# Altium PCB WIoT-Shield01.PcbDoc (part 1 of 2)
Units mm, origin at the board's own origin, x right, y up, seen from the top; angles counter-clockwise.
Board outline 53.32 x 90 mm, 4 copper layers (Top Layer, Internal Plane 1, Internal Plane 2, Bottom Layer), stack 0.844 mm thick; 121 components, 84 nets, 423 pads, 363 vias.
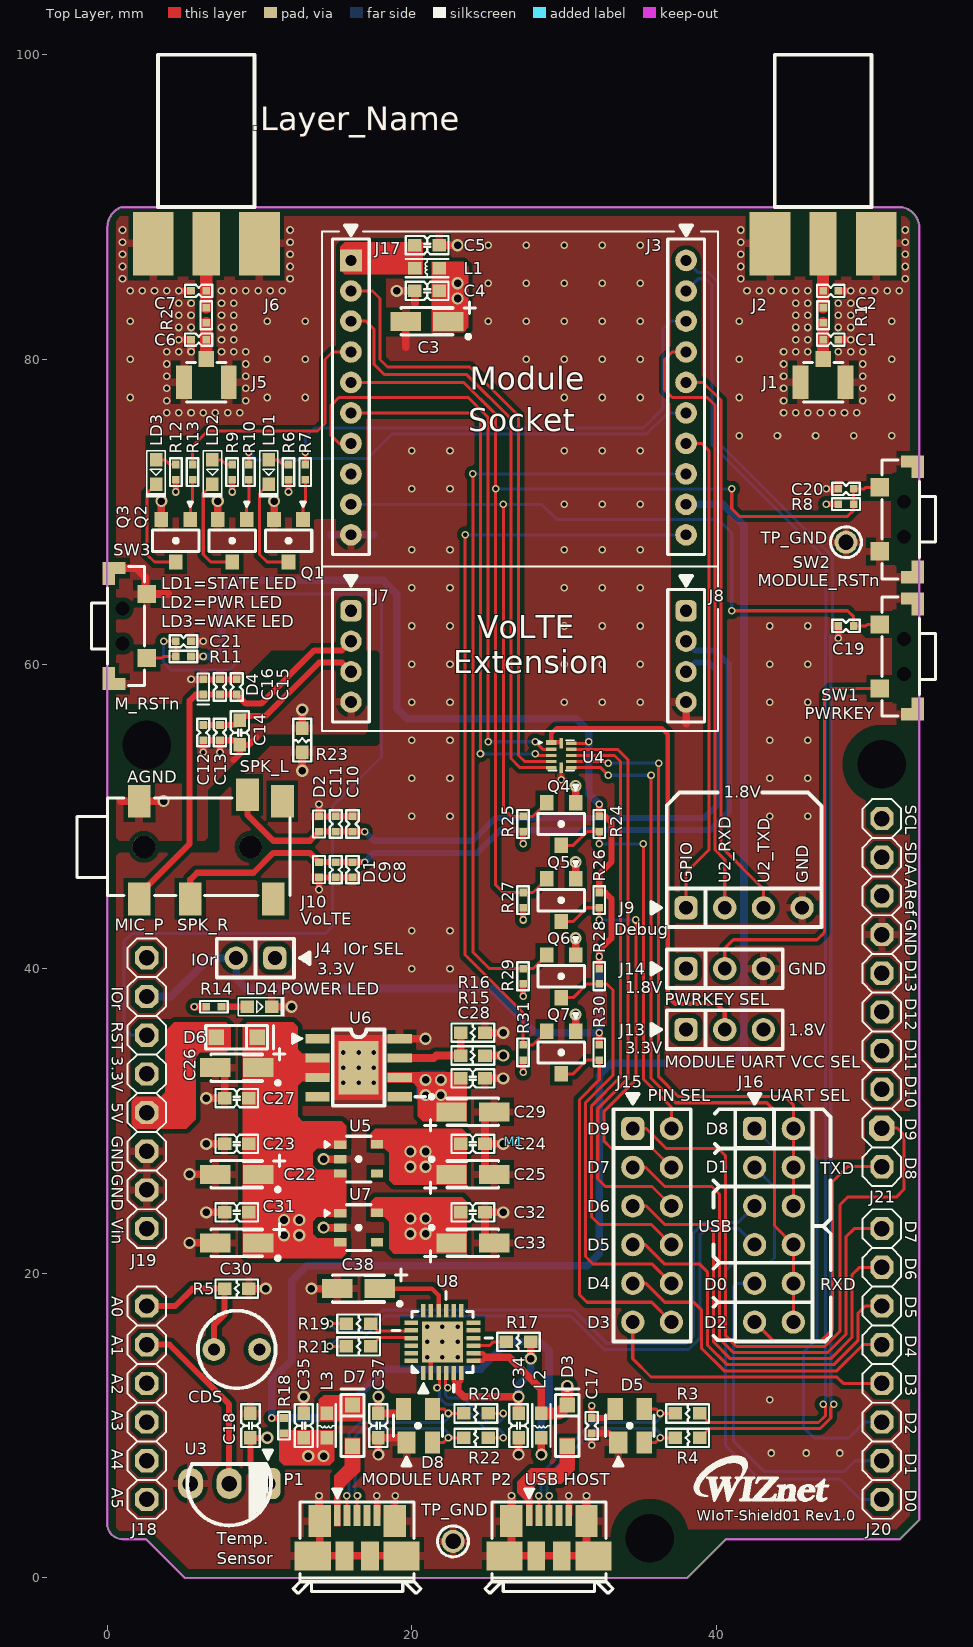
[diagram p0: Top Layer view]
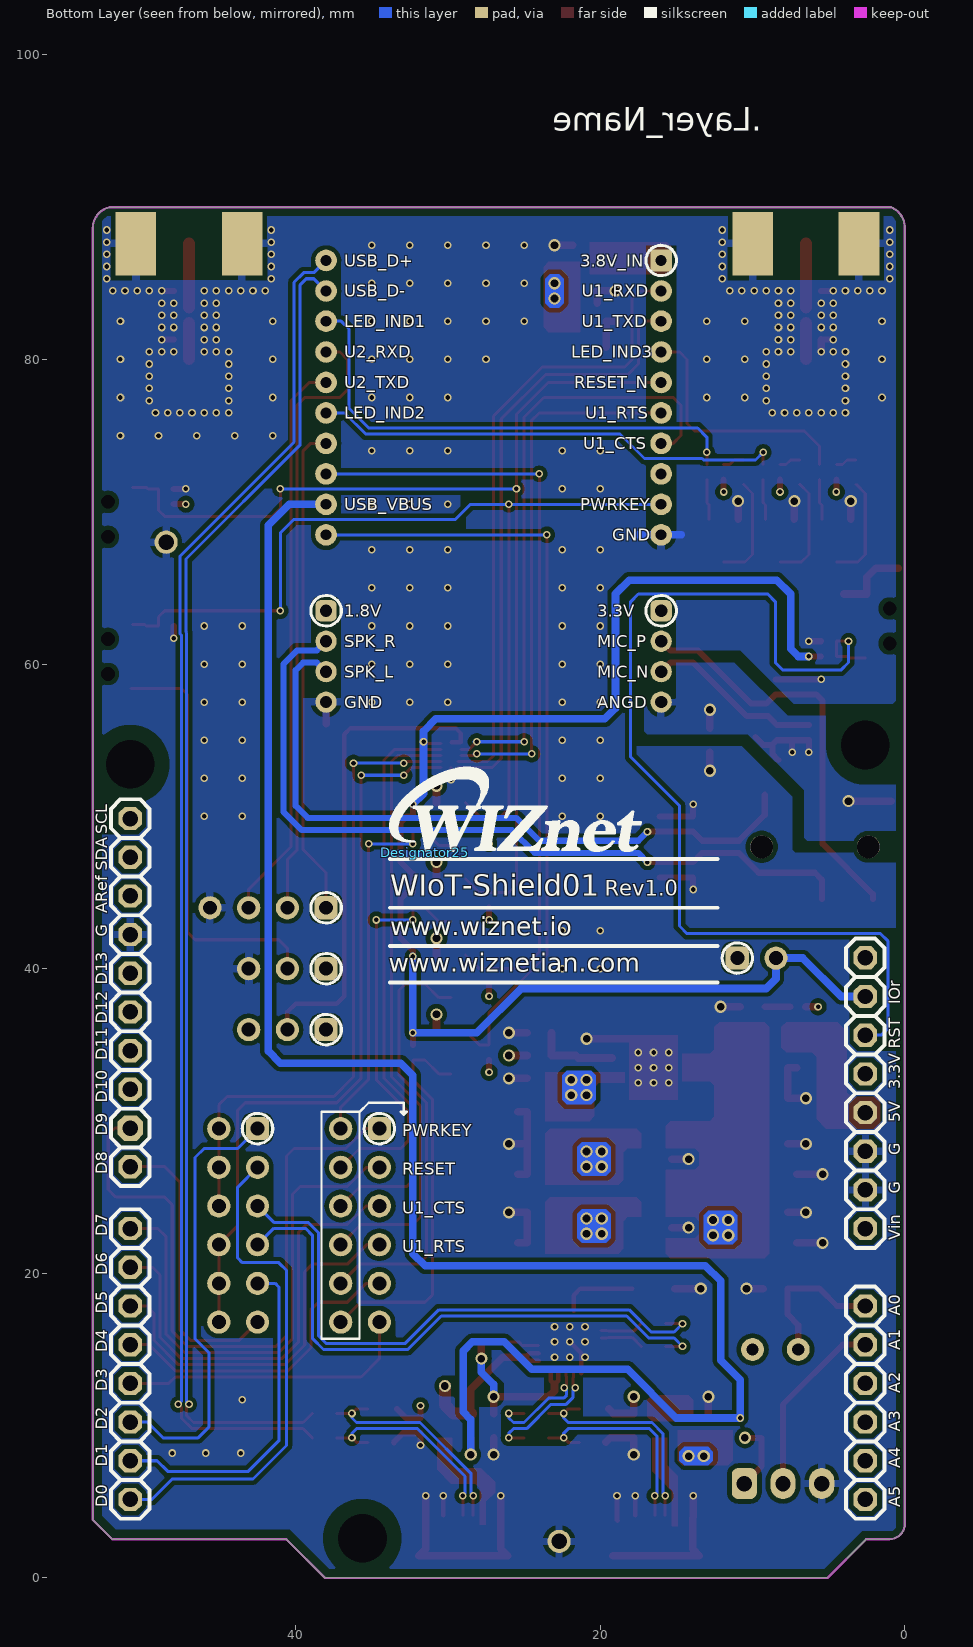
[diagram p1: Bottom Layer view, seen from below]
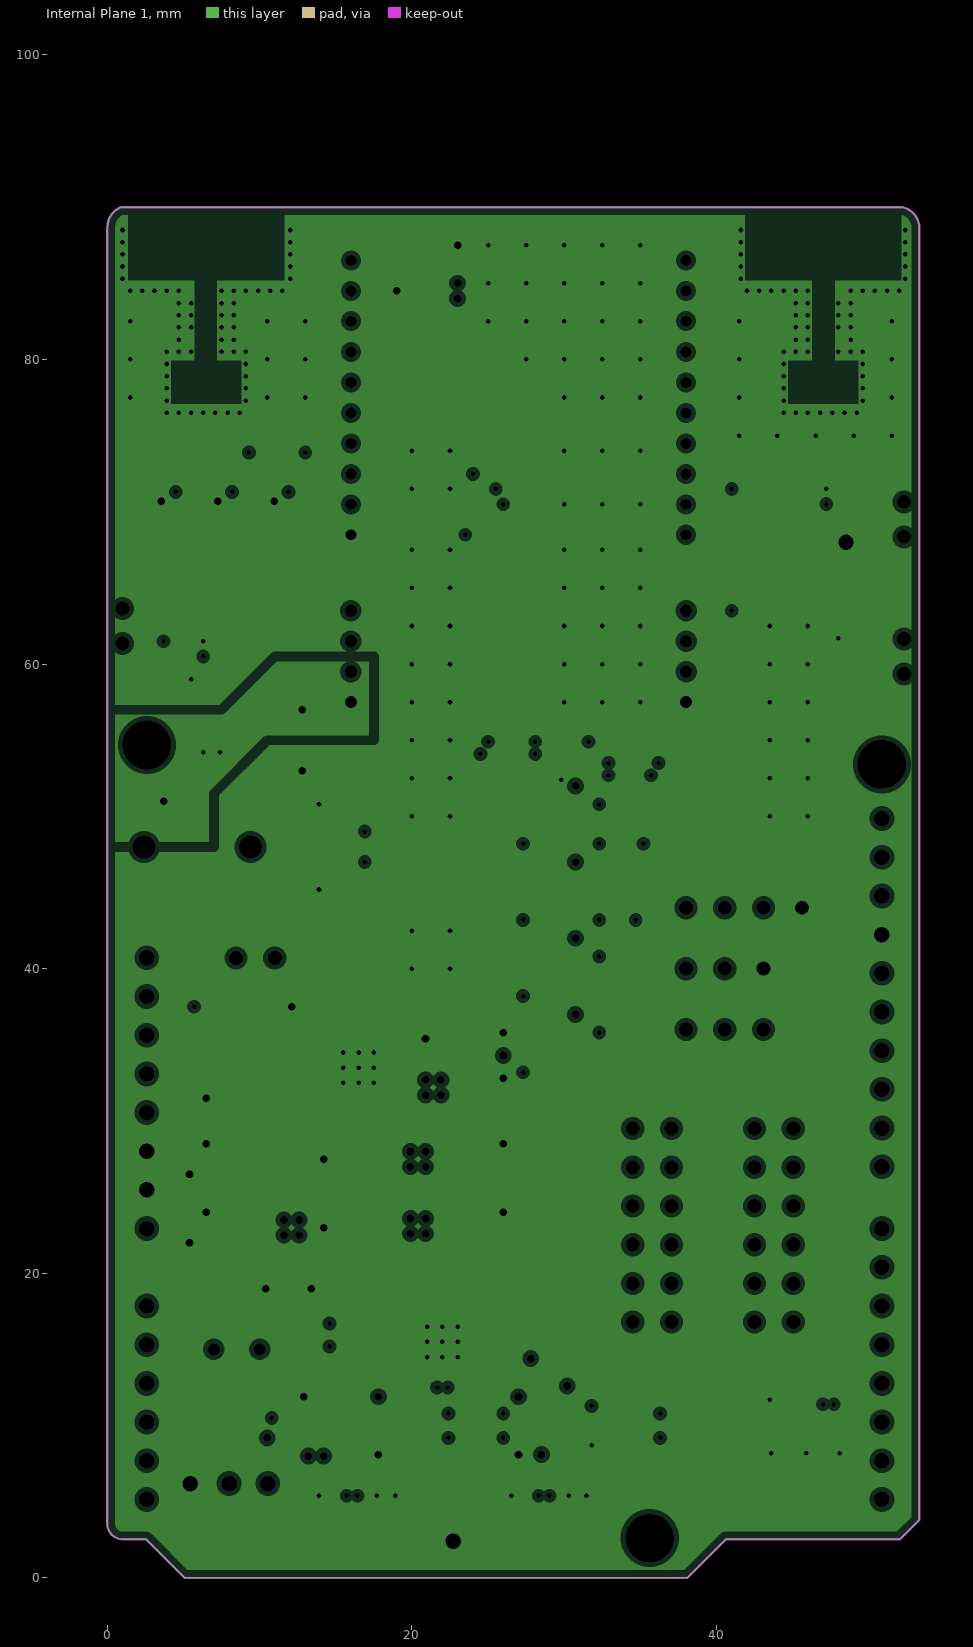
[diagram p2: Internal Plane 1, clearances drawn from the general rule]
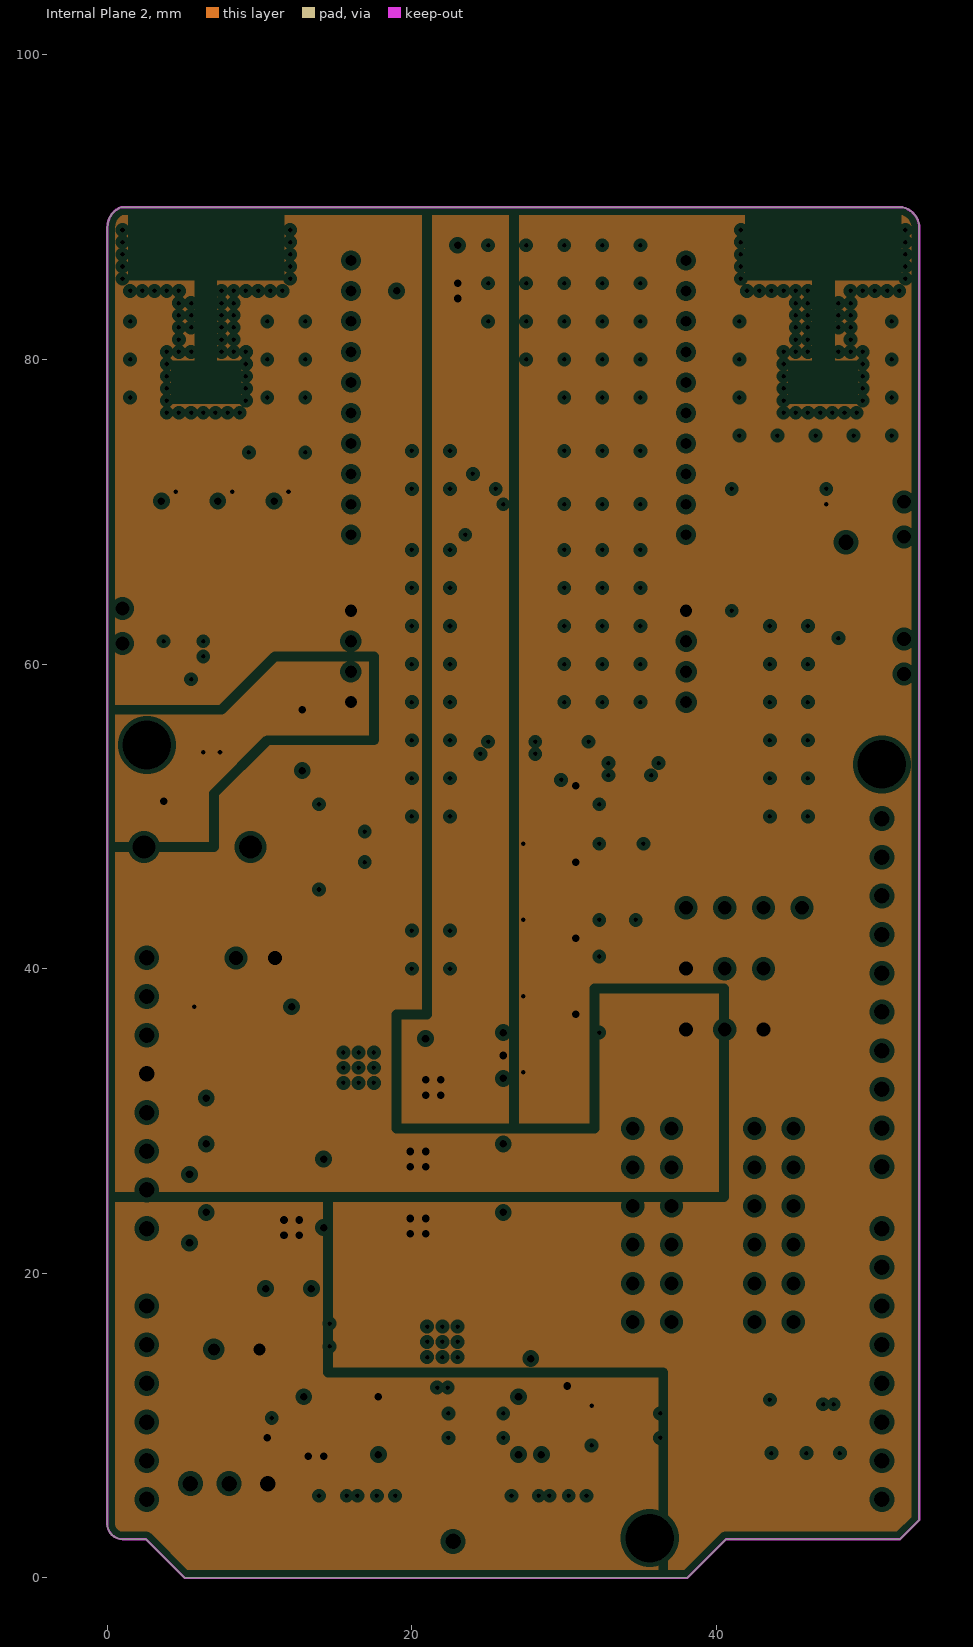
[diagram p3: Internal Plane 2, clearances drawn from the general rule]
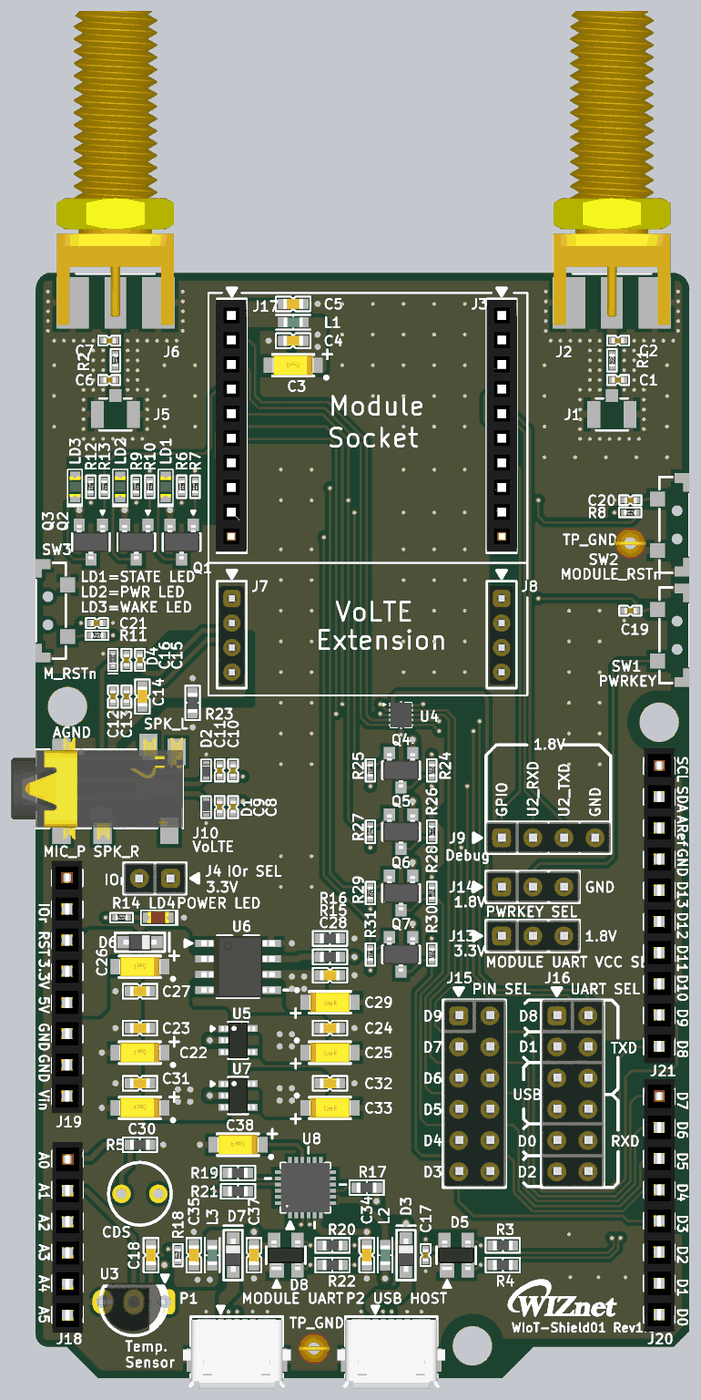
[diagram p5: 3D render of the assembled board from above, using the file's embedded part models]

## Layer stack, top to bottom
Top Solder: solder mask 0.0102, Solder Resist, Dk 3.5
Top Layer: signal copper 0.0356
Dielectric1: core 0.32, FR-4, Dk 4.8
Internal Plane 1: plane copper 0.0356, net (Multiple Nets)
Dielectric5: prepreg 0.127, FR-4, Dk 4.2
Internal Plane 2: plane copper 0.036, net (Multiple Nets)
Dielectric 7: core 0.254, Dk 4.2
Bottom Layer: signal copper 0.0356
Bottom Solder: solder mask 0.0102, Solder Resist, Dk 3.5

## Board outline
0,3.556 ccw(c1.016,3.556) 1.016,2.54 2.54,2.54 5.08,0 38.075,0 40.615,2.54 52.045,2.54 53.315,3.81 53.315,88.617 53.318,88.617 ccw(c51.904,88.617) 52.199,90 0.916,90 ccw(c1.4,88.7) 0.013,88.7 0,88.7

## Design rules (kind name [scope] priority, off if disabled: settings)
BoardOutlineClearance [All] p1: gap=0.5
Clearance [All] p1: gap=0.15 except(0.3: Arc-Poly Track-Poly SMDPad-Poly THPad-Poly Via-Poly Fill-Poly Poly-Poly Poly-Region Poly-Text)
DiffPairsRouting [All] p1: maxlimit=0.2 minlimit=0.2 mostfreqgap=0.2 toplayer_minwidth=0.2 toplayer_maxwidth=0.2 toplayer_prefwidth=0.2 bottomlayer_minwidth=0.2 bottomlayer_maxwidth=0.2 bottomlayer_prefwidth=0.2 maxuncoupledlength=15.24
HoleSize [All] p1: absolutevalues=TRUE maxlimit=4.064 minlimit=0.025 maxpercent=80.000 minpercent=20.000
PlaneClearance [All] p1: clearance=0.305
PlaneConnect [All] p1: planeconnectstyle=Direct reliefexpansion=0.508 reliefentries=4 reliefconductorwidth=0.254 reliefairgap=0.254
PolygonConnect PolygonConnect_2 [IsPad vs IsNamedPolygon('Top Layer-GND') Or  IsNamedPolygon('Bottom Layer-GND')] p1: connectstyle=Relief reliefconductorwidth=0.5 reliefentries=4 polygonreliefangle="90 Angle" airgapwidth=0.3
PolygonConnect PolygonConnect_1 [IsVia] p2: connectstyle=Direct reliefconductorwidth=0.254 reliefentries=4 polygonreliefangle="90 Angle" airgapwidth=0.254
PolygonConnect [All] p3: connectstyle=Direct reliefconductorwidth=0.254 reliefentries=4 polygonreliefangle="90 Angle" airgapwidth=0.254
RoutingVias [All] p1: holewidth=0.3 width=0.5 viastyle="Through Hole" minholewidth=0.3 minwidth=0.5 maxholewidth=0.5 maxwidth=0.8
SolderMaskExpansion [All] p1: expansion=0
Width [All] p1: maxlimit=2.54 minlimit=0.102 preferedwidth=0.152
26 further rules are at their usual default settings.

## Classes and differential pairs
differential pair USB_D: +USB_D_P -USB_D_N
differential pair D: +D_P -D_N

## Components (designator, comment, footprint, x,y, rotation, side; value= is the part's Value field where it differs from the comment)
C1 "NM" CAP-0402 47.5,81.3 r180 top
C2 "NM" CAP-0402 47.5,84.5 r180 top
C3 "4.7uF" "CAP-A SIZE" 21,82.5 r180 top
C4 "100nF" CAP-0603 21,84.5 r180 top
C5 "100nF" CAP-0603 21,87.5 r0 top
C6 "NM" CAP-0402 6,81.3 r0 top
C7 "NM" CAP-0402 6,84.5 r0 top
C8 "10pF" CAP-0402 16.1,46.5 r90 top
C9 "33pF" CAP-0402 15,46.5 r90 top
C10 "10pF" CAP-0402 16.1,49.5 r270 top
C11 "33pF" CAP-0402 15,49.5 r270 top
C12 "10pF" CAP-0402 6.3,55.5 r90 top
C13 "33pF" CAP-0402 7.4,55.5 r90 top
C14 "4.7uF" CAP-0603 8.7,55.5 r90 top
C15 "10pF" CAP-0402 8.5,58.5 r270 top
C16 "33pF" CAP-0402 7.4,58.5 r270 top
C17 "100nF" CAP-0402 31.8,10 r270 top
C18 "100nF" CAP-0603 9.4,10 r270 top
C19 "0.1uF" CAP-0402 48.5,62.5 r0 top
C20 "0.1uF" CAP-0402 48.5,71.5 r0 top
C21 "0.1uF" CAP-0402 5,61.5 r180 top
C22 "4.7uF/16V" "CAP-A SIZE" 8.5,26.5 r180 top
C23 "100nF/16V" CAP-0603 8.5,28.5 r0 top
C24 "100nF/16V" CAP-0603 24,28.5 r180 top
C25 "4.7uF/16V" "CAP-A SIZE" 24,26.5 r0 top
C26 "10uF/16V" "CAP-A SIZE" 8.5,33.5 r180 top
C27 "100nF/16V" CAP-0603 8.5,31.5 r0 top
C28 "100nF/16V" CAP-0603 24,32.8 r180 top
C29 "10uF/16V" "CAP-A SIZE" 24,30.6 r0 top
C30 "4.7uF/16V" "CAP-A SIZE" 8.5,22 r180 top
C31 "100nF/16V" CAP-0603 8.5,24 r0 top
C32 "100nF/16V" CAP-0603 24,24 r180 top
C33 "4.7uF/16V" "CAP-A SIZE" 24,22 r0 top
C34 "0.1uF" CAP-0603 27,10 r90 top
C35 "0.1uF" CAP-0603 12.9,10 r270 top
C37 "100nF" CAP-0603 17.8,10 r90 top
C38 "4.7uF/16V" "CAP-A SIZE" 16.5,19 r180 top
CDS "10k" GL55 8.5,15 r180 top (schematic designator CDS1)
D1 "ESD9B5.0ST5G" SOD-882(TVS) 13.9,46.5 r270 top
D2 "ESD9B5.0ST5G" SOD-882(TVS) 13.9,49.5 r90 top
D3 "BAT60A" SOD-323(1-C,2-A) 30.2,10 r90 top
D4 "ESD9X5.0ST5G" SOD-923(1-C,2-A) 6.3,58.5 r270 top
D5 "PRTR5V0U2X" SOT-143 34.3,10 r0 top
D6 "BAT60A" SOD-323(1-C,2-A) 8.5,35.5 r0 top
D7 "BAT60A" SOD-323(1-C,2-A) 16.1,10 r90 top
D8 "PRTR5V0U2X" SOT-143 20.4,10 r0 top
Designator25 "Comment" LOGO-WIZNET(2) 31.481,47.662 r180 bottom
J1 "CMJ-S01-501" BNC-CMJ-S01-501 47,78.5 r90 top
J2 "SMA_Female" BNC-142-0711-821 47,90 r0 top locked
J3 "2.00mm Xbee_pin-header" XBEE(1) 16,86.5 r0 top locked
J4 "2.54mm 1x2 Pin Header DIP" IDC-1X2 11,40.7 r180 top
J5 "CMJ-S01-501" BNC-CMJ-S01-501 6.5,78.5 r90 top
J6 "SMA_Female" BNC-142-0711-821 6.5,90 r0 top locked
J7 "2.00mm 1x4 Pin Header DIP" IDC-1X4(2MM) 16,63.5 r270 top
J8 "2.00mm 1x4 Pin Header DIP" IDC-1X4(2MM) 38,63.5 r270 top
J9 "2.54mm 1x4 Pin Header DIP" IDC-1X4 38,44 r0 top
J10 "Phonejack 6" PJ-3.5-3106 0,48 r270 top locked
J13 "2.54mm 1x3 Pin Header DIP" IDC-1X3 38,36 r0 top
J14 "2.54mm 1x3 Pin Header DIP" IDC-1X3 38,40 r0 top
J15 "2.54mm 2x6 Pin Header DIP" IDC-2X6 34.5,29.5 r270 top locked
J16 "2.54mm 2x6 Pin Header DIP" IDC-2X6 42.5,29.5 r270 top
L1 "HH-1M1608-121JT" IND-0603 21,86 r180 top
L2 "HH-1M1608-121JT" IND-0603 28.5,10 r270 top
L3 "HH-1M1608-121JT" IND-0603 14.4,10 r270 top
LD1 "GREEN" LED-0603-GREEN 10.6,72.6 r270 top
LD2 "GREEN" LED-0603-GREEN 6.9,72.6 r270 top
LD3 "GREEN" LED-0603-GREEN 3.2,72.6 r270 top
LD4 "RED-0603" LED-0603-RED 10,37.5 r0 top
M1 "ARDUINO UNO R3_1" ARDUINOR3_ICSP(4) 2.595,5.155 r270 top locked
P1 "47346-0001" USB-MOLEX-47346 16.4,0 r90 top
P2 "47346-0001" USB-MOLEX-47346 29,0 r90 top locked
Q1 "Q-MMBT4401" SOT-23-3LL 11.9,68.1 r180 top
Q2 "Q-MMBT4401" SOT-23-3LL 8.2,68.1 r180 top
Q3 "Q-MMBT4401" SOT-23-3LL 4.5,68.1 r180 top
Q4 "Q-2N7002" SOT-23-3L 29.8,49.5 r180 top
Q5 "Q-2N7002" SOT-23-3L 29.8,44.5 r180 top
Q6 "Q-2N7002" SOT-23-3L 29.8,39.5 r180 top
Q7 "Q-2N7002" SOT-23-3L 29.8,34.5 r180 top
R1 "0R" RES-0402 47,82.9 r90 top
R2 "0R" RES-0402 6.5,82.9 r90 top
R3 "33" RES-0603 38.1,10.8 r180 top
R4 "33" RES-0603 38.1,9.2 r180 top
R5 "10k" RES-0603 8.5,19 r180 top
R6 "1k" RES-0402 11.9,72.6 r270 top
R7 "1k" RES-0402 13,72.6 r270 top
R8 "NM" RES-0402 48.5,70.5 r180 top
R9 "1k" RES-0402 8.2,72.6 r270 top
R10 "1k" RES-0402 9.3,72.6 r270 top
R11 "NM" RES-0402 5,60.5 r0 top
R12 "1k" RES-0402 4.5,72.6 r270 top
R13 "1k" RES-0402 5.6,72.6 r270 top
R14 "330R" RES-0402 7,37.5 r0 top
R15 "200k" RES-0603 24,34.3 r0 top
R16 "30.1k" RES-0603 24,35.8 r180 top
R17 "4.7K" RES-0603 27,15.5 r0 top
R18 "0R" RES-0402 11.6,10 r90 top
R19 "0R" RES-0603 16.5,16.7 r180 top
R20 "33R" RES-0603 24.2,10.8 r0 top
R21 "0R" RES-0603 16.5,15.2 r180 top
R22 "33R" RES-0603 24.2,9.2 r0 top
R23 "0R" RES-0603 12.8,55 r90 top
R24 "4.7k" RES-0402 32.3,49.5 r90 top
R25 "4.7k" RES-0402 27.3,49.5 r270 top
R26 "4.7k" RES-0402 32.3,44.5 r90 top
R27 "4.7k" RES-0402 27.3,44.5 r270 top
R28 "4.7k" RES-0402 32.3,39.5 r90 top
R29 "4.7k" RES-0402 27.3,39.5 r270 top
R30 "4.7k" RES-0402 32.3,34.5 r90 top
R31 "4.7k" RES-0402 27.3,34.5 r270 top
SW1 "NW3-A06-B5" NW3-A06 53.315,60.5 r270 top
SW2 "NW3-A06-B5" NW3-A06 53.315,69.5 r270 top
SW3 "NW3-A06-B5" NW3-A06 0,62.5 r90 top
TP_GND "TESTPOINT" TP 22.7,2.4 r90 top (schematic designator TP_GND1)
TP_GND "TESTPOINT" TP 48.5,68 r90 top (schematic designator TP_GND2)
U3 "LM35" TO-92 8,6.2 r180 top
U4 "NLSX5014MUTAG" UQFN12(0.4/1.7X2) 29.8,54 r0 top
U5 "AP7365-33WG-7" SOT-25 16.5,27.5 r270 top
U6 "TPS7A7002DDAR" SO-08-EP 16.5,33.5 r0 top locked
U7 "AP7365-18WG-7" SOT-25 16.5,23 r270 top
U8 "CP2104-GM" QFN24(0.5/4X4) 22,15.5 r90 top locked
? "Comment" LOGO-WIZNET(SMALL) 39.827,5.055 r0 top
